# KiCad board Eclipse65.kicad_pcb (continued)
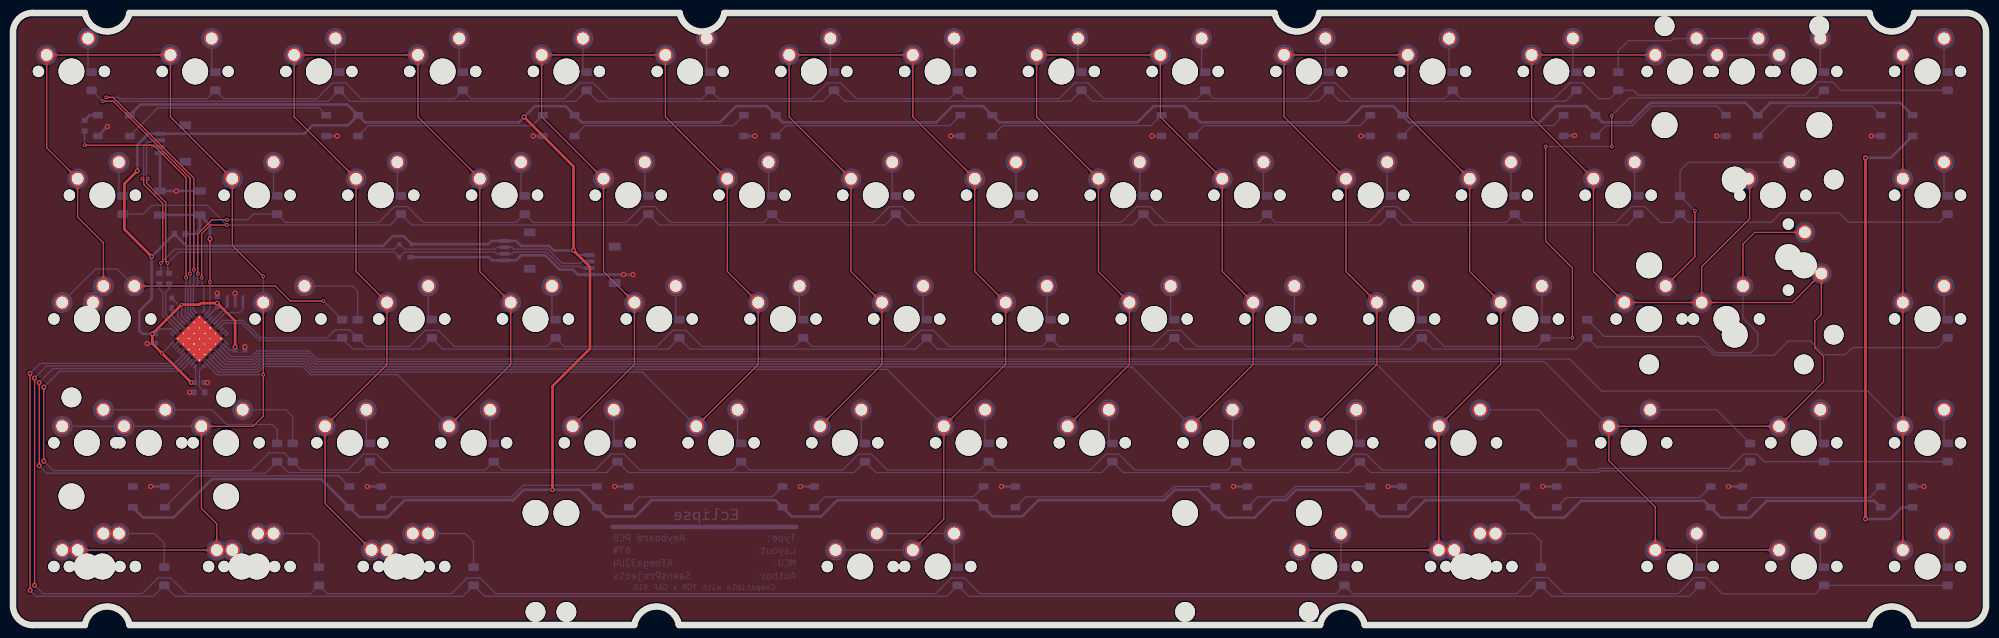
[diagram p0: board, top side]
## Copper pours and planes (outline as drawn; the poured copper is in the pictures) (continued)
C0 on Top: 13.82,54.57 13.82,54.47 13.81,54.37 13.8,54.28 13.79,54.2 13.78,54.12 13.76,54.05 13.74,53.98 13.71,53.92 13.69,53.86 13.66,53.81 13.63,53.75 13.59,53.7 13.56,53.65 13.52,53.6 13.14,53.18 13.1,53.12 13.06,53.06 13.01,53 12.97,52.93 12.93,52.86 12.88,52.78 12.84,52.7 13.92,51.58 15,52.7 14.96,52.78 14.92,52.86 14.87,52.93 14.83,53 14.79,53.06 14.74,53.12 14.7,53.18 14.32,53.6 14.28,53.65 14.25,53.7 14.22,53.75 14.18,53.81 14.16,53.86 14.13,53.92 14.11,53.98 14.08,54.05 14.07,54.12 14.05,54.2 14.04,54.28 14.03,54.37 14.02,54.47 14.02,54.57
C0 on Top: 10.05,66.3 10.05,66.4 10.06,66.5 10.07,66.59 10.08,66.67 10.1,66.75 10.12,66.82 10.14,66.89 10.16,66.95 10.19,67.01 10.22,67.06 10.25,67.12 10.28,67.17 10.31,67.22 10.35,67.27 10.73,67.69 10.77,67.75 10.82,67.81 10.86,67.87 10.91,67.94 10.95,68.01 10.99,68.09 11.03,68.17 9.95,69.29 8.87,68.17 8.91,68.09 8.96,68.01 9,67.94 9.04,67.87 9.09,67.81 9.13,67.75 9.18,67.69 9.55,67.27 9.59,67.22 9.63,67.17 9.66,67.12 9.69,67.06 9.72,67.01 9.74,66.95 9.77,66.89 9.79,66.82 9.81,66.75 9.82,66.67 9.84,66.59 9.85,66.5 9.85,66.4 9.85,66.3
C0 on Top: 38.63,47.25 38.63,47.35 38.63,47.45 38.64,47.54 38.66,47.62 38.67,47.7 38.69,47.77 38.71,47.84 38.74,47.9 38.76,47.96 38.79,48.01 38.82,48.07 38.85,48.12 38.89,48.17 38.93,48.22 39.3,48.64 39.35,48.7 39.39,48.76 39.44,48.82 39.48,48.89 39.52,48.96 39.57,49.04 39.61,49.12 38.53,50.24 37.45,49.12 37.49,49.04 37.53,48.96 37.57,48.89 37.62,48.82 37.66,48.76 37.71,48.7 37.75,48.64 38.13,48.22 38.17,48.17 38.2,48.12 38.23,48.07 38.26,48.01 38.29,47.96 38.32,47.9 38.34,47.84 38.36,47.77 38.38,47.7 38.4,47.62 38.41,47.54 38.42,47.45 38.43,47.35 38.43,47.25
C0 on Top: 31.39,30.69 31.29,30.69 31.2,30.7 31.11,30.71 31.02,30.72 30.95,30.73 30.87,30.75 30.81,30.77 30.74,30.8 30.68,30.82 30.63,30.85 30.57,30.88 30.52,30.92 30.47,30.95 30.43,30.99 30,31.37 29.94,31.41 29.88,31.46 29.82,31.5 29.75,31.54 29.68,31.59 29.61,31.63 29.53,31.67 28.4,30.59 29.53,29.51 29.61,29.55 29.68,29.59 29.75,29.64 29.82,29.68 29.88,29.72 29.94,29.77 30,29.81 30.43,30.19 30.47,30.23 30.52,30.26 30.57,30.3 30.63,30.33 30.68,30.36 30.74,30.38 30.81,30.41 30.87,30.43 30.95,30.45 31.02,30.46 31.11,30.47 31.2,30.48 31.29,30.49 31.39,30.49
C0 on Top: 24.34,85.35 24.34,85.45 24.35,85.55 24.36,85.64 24.37,85.72 24.38,85.8 24.4,85.87 24.42,85.94 24.45,86 24.47,86.06 24.5,86.11 24.53,86.17 24.57,86.22 24.6,86.27 24.64,86.32 25.02,86.74 25.06,86.8 25.11,86.86 25.15,86.92 25.19,86.99 25.24,87.06 25.28,87.14 25.32,87.22 24.24,88.34 23.16,87.22 23.2,87.14 23.24,87.06 23.29,86.99 23.33,86.92 23.37,86.86 23.42,86.8 23.46,86.74 23.84,86.32 23.88,86.27 23.91,86.22 23.95,86.17 23.98,86.11 24.01,86.06 24.03,86 24.06,85.94 24.08,85.87 24.1,85.8 24.11,85.72 24.12,85.64 24.13,85.55 24.14,85.45 24.14,85.35
C0 on Top: 32,70.31 32.08,70.24 32.14,70.16 32.19,70.1 32.24,70.03 32.29,69.96 32.33,69.9 32.36,69.84 32.39,69.77 32.41,69.71 32.43,69.65 32.45,69.59 32.46,69.53 32.47,69.47 32.48,69.42 32.51,68.85 32.52,68.77 32.53,68.7 32.54,68.63 32.56,68.55 32.58,68.47 32.6,68.38 32.63,68.3 34.19,68.27 34.16,69.82 34.07,69.85 33.99,69.88 33.91,69.9 33.83,69.91 33.75,69.93 33.68,69.94 33.61,69.94 33.04,69.98 32.98,69.99 32.92,70 32.86,70.01 32.8,70.03 32.74,70.04 32.68,70.07 32.62,70.1 32.56,70.13 32.49,70.17 32.43,70.21 32.36,70.26 32.29,70.32 32.22,70.38 32.15,70.45
C0 on Top: 29.1,28.2 29.1,28.3 29.11,28.4 29.12,28.49 29.13,28.57 29.15,28.65 29.17,28.72 29.19,28.79 29.21,28.85 29.24,28.91 29.27,28.96 29.3,29.02 29.33,29.07 29.36,29.12 29.4,29.17 29.78,29.59 29.82,29.65 29.87,29.71 29.91,29.77 29.96,29.84 30,29.91 30.04,29.99 30.08,30.07 29,31.19 27.92,30.07 27.96,29.99 28.01,29.91 28.05,29.84 28.09,29.77 28.14,29.71 28.18,29.65 28.23,29.59 28.6,29.17 28.64,29.12 28.68,29.07 28.71,29.02 28.74,28.96 28.77,28.91 28.79,28.85 28.82,28.79 28.84,28.72 28.86,28.65 28.87,28.57 28.89,28.49 28.9,28.4 28.9,28.3 28.9,28.2
C0 on Top: 31.28,13.93 31.28,13.83 31.28,13.73 31.27,13.64 31.26,13.56 31.24,13.48 31.22,13.41 31.2,13.34 31.18,13.28 31.15,13.22 31.12,13.17 31.09,13.11 31.06,13.06 31.02,13.01 30.99,12.96 30.61,12.54 30.56,12.48 30.52,12.42 30.47,12.36 30.43,12.29 30.39,12.22 30.35,12.14 30.3,12.06 31.38,10.94 32.46,12.06 32.42,12.14 32.38,12.22 32.34,12.29 32.29,12.36 32.25,12.42 32.2,12.48 32.16,12.54 31.78,12.96 31.75,13.01 31.71,13.06 31.68,13.11 31.65,13.17 31.62,13.22 31.59,13.28 31.57,13.34 31.55,13.41 31.53,13.48 31.51,13.56 31.5,13.64 31.49,13.73 31.49,13.83 31.48,13.93
C0 on Top: 7.58,87.84 7.48,87.84 7.38,87.85 7.29,87.86 7.21,87.87 7.13,87.88 7.06,87.9 6.99,87.92 6.93,87.95 6.87,87.97 6.82,88 6.76,88.03 6.71,88.07 6.66,88.1 6.61,88.14 6.19,88.52 6.13,88.56 6.07,88.61 6.01,88.65 5.94,88.69 5.87,88.74 5.79,88.78 5.71,88.82 4.59,87.74 5.71,86.66 5.79,86.7 5.87,86.74 5.94,86.79 6.01,86.83 6.07,86.87 6.13,86.92 6.19,86.96 6.61,87.34 6.66,87.38 6.71,87.41 6.76,87.45 6.82,87.48 6.87,87.51 6.93,87.53 6.99,87.56 7.06,87.58 7.13,87.6 7.21,87.61 7.29,87.62 7.38,87.63 7.48,87.64 7.58,87.64
C0 on Top: 21.85,87.64 21.95,87.64 22.05,87.63 22.14,87.62 22.22,87.61 22.3,87.6 22.37,87.58 22.44,87.56 22.5,87.53 22.56,87.51 22.61,87.48 22.67,87.45 22.72,87.41 22.77,87.38 22.82,87.34 23.24,86.96 23.3,86.92 23.36,86.87 23.42,86.83 23.49,86.79 23.56,86.74 23.64,86.7 23.72,86.66 24.84,87.74 23.72,88.82 23.64,88.78 23.56,88.74 23.49,88.69 23.42,88.65 23.36,88.61 23.3,88.56 23.24,88.52 22.82,88.14 22.77,88.1 22.72,88.07 22.67,88.03 22.61,88 22.56,87.97 22.5,87.95 22.44,87.92 22.37,87.9 22.3,87.88 22.22,87.87 22.14,87.86 22.05,87.85 21.95,87.84 21.85,87.84
C0 on Top: 33.87,66.3 33.87,66.4 33.87,66.5 33.88,66.59 33.89,66.67 33.91,66.75 33.93,66.82 33.95,66.89 33.97,66.95 34,67.01 34.03,67.06 34.06,67.12 34.09,67.17 34.13,67.22 34.16,67.27 34.54,67.69 34.59,67.75 34.63,67.81 34.67,67.87 34.72,67.94 34.76,68.01 34.8,68.09 34.85,68.17 33.77,69.29 32.69,68.17 32.73,68.09 32.77,68.01 32.81,67.94 32.86,67.87 32.9,67.81 32.94,67.75 32.99,67.69 33.37,67.27 33.4,67.22 33.44,67.17 33.47,67.12 33.5,67.06 33.53,67.01 33.56,66.95 33.58,66.89 33.6,66.82 33.62,66.75 33.64,66.67 33.65,66.59 33.66,66.5 33.66,66.4 33.67,66.3
C0 on Top: 5.29,85.35 5.29,85.45 5.3,85.55 5.31,85.64 5.32,85.72 5.33,85.8 5.35,85.87 5.37,85.94 5.4,86 5.42,86.06 5.45,86.11 5.48,86.17 5.52,86.22 5.55,86.27 5.59,86.32 5.97,86.74 6.01,86.8 6.06,86.86 6.1,86.92 6.14,86.99 6.19,87.06 6.23,87.14 6.27,87.22 5.19,88.34 4.11,87.22 4.15,87.14 4.19,87.06 4.24,86.99 4.28,86.92 4.32,86.86 4.37,86.8 4.41,86.74 4.79,86.32 4.83,86.27 4.86,86.22 4.9,86.17 4.93,86.11 4.96,86.06 4.98,86 5.01,85.94 5.03,85.87 5.05,85.8 5.06,85.72 5.07,85.64 5.08,85.55 5.09,85.45 5.09,85.35
C0 on Top: 8.19,70.31 8.26,70.24 8.33,70.16 8.38,70.1 8.43,70.03 8.48,69.96 8.51,69.9 8.55,69.84 8.57,69.77 8.6,69.71 8.62,69.65 8.63,69.59 8.65,69.53 8.66,69.47 8.66,69.42 8.7,68.85 8.71,68.77 8.72,68.7 8.73,68.63 8.75,68.55 8.77,68.47 8.79,68.38 8.82,68.3 10.38,68.27 10.35,69.82 10.26,69.85 10.18,69.88 10.09,69.9 10.02,69.91 9.94,69.93 9.87,69.94 9.8,69.94 9.23,69.98 9.17,69.99 9.11,70 9.05,70.01 8.99,70.03 8.93,70.04 8.87,70.07 8.81,70.1 8.74,70.13 8.68,70.17 8.61,70.21 8.55,70.26 8.48,70.32 8.41,70.38 8.33,70.45
C0 on Bottom: 26.61,30.49 26.71,30.49 26.81,30.48 26.9,30.47 26.98,30.46 27.06,30.45 27.13,30.43 27.2,30.41 27.26,30.38 27.32,30.36 27.38,30.33 27.43,30.3 27.48,30.26 27.53,30.23 27.58,30.19 28.01,29.81 28.06,29.77 28.12,29.72 28.18,29.68 28.25,29.64 28.32,29.59 28.4,29.55 28.48,29.51 29.6,30.59 28.48,31.67 28.4,31.63 28.32,31.59 28.25,31.54 28.18,31.5 28.12,31.46 28.06,31.41 28.01,31.37 27.58,30.99 27.53,30.95 27.48,30.92 27.43,30.88 27.38,30.85 27.32,30.82 27.26,30.8 27.2,30.77 27.13,30.75 27.06,30.73 26.98,30.72 26.9,30.71 26.81,30.7 26.71,30.69 26.61,30.69
C0 on Bottom: 25.81,30.49 25.95,30.49 26.08,30.48 26.2,30.47 26.31,30.45 26.41,30.43 26.51,30.4 26.6,30.37 26.68,30.34 26.76,30.3 26.83,30.27 26.91,30.22 26.97,30.18 27.04,30.13 27.1,30.08 27.16,30.03 27.22,29.97 27.53,29.68 27.6,29.62 27.67,29.56 27.74,29.5 27.82,29.44 27.91,29.38 28,29.32 28.09,29.26 28.2,29.21 28.31,29.15 29.8,30.59 28.31,32.03 28.2,31.97 28.09,31.92 28,31.86 27.91,31.8 27.82,31.74 27.74,31.68 27.67,31.62 27.6,31.56 27.53,31.5 27.22,31.21 27.16,31.15 27.1,31.1 27.04,31.05 26.97,31 26.91,30.96 26.83,30.91 26.76,30.88 26.68,30.84 26.6,30.81 26.51,30.78 26.41,30.75 26.31,30.73 26.2,30.71 26.08,30.7 25.95,30.69 25.81,30.69
C0 on Bottom: 20.29,30.69 20.15,30.69 20.02,30.7 19.9,30.71 19.79,30.73 19.69,30.75 19.59,30.78 19.5,30.81 19.42,30.84 19.34,30.88 19.26,30.91 19.19,30.96 19.13,31 19.06,31.05 19,31.1 18.94,31.15 18.88,31.21 18.57,31.5 18.5,31.56 18.43,31.62 18.35,31.68 18.28,31.74 18.19,31.8 18.1,31.86 18.01,31.92 17.9,31.97 17.79,32.03 16.3,30.59 17.79,29.15 17.9,29.21 18.01,29.26 18.1,29.32 18.19,29.38 18.28,29.44 18.35,29.5 18.43,29.56 18.5,29.62 18.57,29.68 18.88,29.97 18.94,30.03 19,30.08 19.06,30.13 19.13,30.18 19.19,30.22 19.26,30.27 19.34,30.3 19.42,30.34 19.5,30.37 19.59,30.4 19.69,30.43 19.79,30.45 19.9,30.47 20.02,30.48 20.15,30.49 20.29,30.49
C0 on Bottom: 19.49,30.69 19.38,30.69 19.29,30.7 19.2,30.71 19.12,30.72 19.04,30.73 18.97,30.75 18.9,30.77 18.84,30.8 18.78,30.82 18.72,30.85 18.67,30.88 18.62,30.92 18.57,30.95 18.52,30.99 18.09,31.37 18.04,31.41 17.98,31.46 17.92,31.5 17.85,31.54 17.78,31.59 17.7,31.63 17.62,31.67 16.5,30.59 17.62,29.51 17.7,29.55 17.78,29.59 17.85,29.64 17.92,29.68 17.98,29.72 18.04,29.77 18.09,29.81 18.52,30.19 18.57,30.23 18.62,30.26 18.67,30.3 18.72,30.33 18.78,30.36 18.84,30.38 18.9,30.41 18.97,30.43 19.04,30.45 19.12,30.46 19.2,30.47 19.29,30.48 19.38,30.49 19.49,30.49
C0 on Bottom: 9.96,30.69 9.86,30.69 9.76,30.7 9.68,30.71 9.59,30.72 9.52,30.73 9.44,30.75 9.38,30.77 9.31,30.8 9.25,30.82 9.2,30.85 9.14,30.88 9.09,30.92 9.04,30.95 9,30.99 8.57,31.37 8.51,31.41 8.45,31.46 8.39,31.5 8.32,31.54 8.25,31.59 8.18,31.63 8.09,31.67 6.97,30.59 8.09,29.51 8.18,29.55 8.25,29.59 8.32,29.64 8.39,29.68 8.45,29.72 8.51,29.77 8.57,29.81 9,30.19 9.04,30.23 9.09,30.26 9.14,30.3 9.2,30.33 9.25,30.36 9.31,30.38 9.38,30.41 9.44,30.43 9.52,30.45 9.59,30.46 9.68,30.47 9.76,30.48 9.86,30.49 9.96,30.49
C0 on Bottom: 10.76,30.69 10.62,30.69 10.5,30.7 10.38,30.71 10.27,30.73 10.16,30.75 10.07,30.78 9.98,30.81 9.89,30.84 9.81,30.88 9.74,30.91 9.67,30.96 9.6,31 9.54,31.05 9.47,31.1 9.41,31.15 9.35,31.21 9.04,31.5 8.97,31.56 8.9,31.62 8.83,31.68 8.75,31.74 8.67,31.8 8.58,31.86 8.48,31.92 8.38,31.97 8.27,32.03 6.77,30.59 8.27,29.15 8.38,29.21 8.48,29.26 8.58,29.32 8.67,29.38 8.75,29.44 8.83,29.5 8.9,29.56 8.97,29.62 9.04,29.68 9.35,29.97 9.41,30.03 9.47,30.08 9.54,30.13 9.6,30.18 9.67,30.22 9.74,30.27 9.81,30.3 9.89,30.34 9.98,30.37 10.07,30.4 10.16,30.43 10.27,30.45 10.38,30.47 10.5,30.48 10.62,30.49 10.76,30.49
C0 on Bottom: 13.91,30.49 14.04,30.49 14.17,30.48 14.29,30.47 14.4,30.45 14.5,30.43 14.6,30.4 14.69,30.37 14.77,30.34 14.85,30.3 14.93,30.27 15,30.22 15.07,30.18 15.13,30.13 15.2,30.08 15.26,30.03 15.32,29.97 15.63,29.68 15.69,29.62 15.76,29.56 15.84,29.5 15.92,29.44 16,29.38 16.09,29.32 16.19,29.26 16.29,29.21 16.4,29.15 17.9,30.59 16.4,32.03 16.29,31.97 16.19,31.92 16.09,31.86 16,31.8 15.92,31.74 15.84,31.68 15.76,31.62 15.69,31.56 15.63,31.5 15.32,31.21 15.26,31.15 15.2,31.1 15.13,31.05 15.07,31 15,30.96 14.93,30.91 14.85,30.88 14.77,30.84 14.69,30.81 14.6,30.78 14.5,30.75 14.4,30.73 14.29,30.71 14.17,30.7 14.04,30.69 13.91,30.69
C0 on Bottom: 14.71,30.49 14.81,30.49 14.9,30.48 14.99,30.47 15.07,30.46 15.15,30.45 15.22,30.43 15.29,30.41 15.36,30.38 15.41,30.36 15.47,30.33 15.52,30.3 15.58,30.26 15.62,30.23 15.67,30.19 16.1,29.81 16.16,29.77 16.21,29.72 16.28,29.68 16.34,29.64 16.42,29.59 16.49,29.55 16.57,29.51 17.7,30.59 16.57,31.67 16.49,31.63 16.42,31.59 16.34,31.54 16.28,31.5 16.21,31.46 16.16,31.41 16.1,31.37 15.67,30.99 15.62,30.95 15.58,30.92 15.52,30.88 15.47,30.85 15.41,30.82 15.36,30.8 15.29,30.77 15.22,30.75 15.15,30.73 15.07,30.72 14.99,30.71 14.9,30.7 14.81,30.69 14.71,30.69
C0 on Bottom: 38.43,52.03 38.43,51.93 38.42,51.83 38.41,51.74 38.4,51.66 38.38,51.58 38.36,51.51 38.34,51.44 38.32,51.38 38.29,51.32 38.26,51.27 38.23,51.21 38.2,51.16 38.17,51.11 38.13,51.06 37.75,50.64 37.71,50.58 37.66,50.52 37.62,50.46 37.57,50.39 37.53,50.32 37.49,50.24 37.45,50.16 38.53,49.04 39.61,50.16 39.57,50.24 39.52,50.32 39.48,50.39 39.44,50.46 39.39,50.52 39.35,50.58 39.3,50.64 38.93,51.06 38.89,51.11 38.85,51.16 38.82,51.21 38.79,51.27 38.76,51.32 38.74,51.38 38.71,51.44 38.69,51.51 38.67,51.58 38.66,51.66 38.64,51.74 38.63,51.83 38.63,51.93 38.63,52.03
C0 on Bottom: 38.43,52.83 38.42,52.69 38.42,52.57 38.4,52.45 38.39,52.34 38.37,52.23 38.34,52.14 38.31,52.05 38.28,51.96 38.24,51.88 38.2,51.81 38.16,51.74 38.11,51.67 38.07,51.6 38.02,51.54 37.96,51.48 37.91,51.42 37.62,51.11 37.56,51.04 37.5,50.97 37.44,50.9 37.38,50.82 37.32,50.73 37.26,50.65 37.2,50.55 37.14,50.45 37.09,50.34 38.53,48.84 39.97,50.34 39.91,50.45 39.85,50.55 39.8,50.65 39.74,50.73 39.68,50.82 39.62,50.9 39.56,50.97 39.5,51.04 39.44,51.11 39.14,51.42 39.09,51.48 39.04,51.54 38.99,51.6 38.94,51.67 38.9,51.74 38.85,51.81 38.81,51.88 38.78,51.96 38.74,52.05 38.71,52.14 38.69,52.23 38.67,52.34 38.65,52.45 38.64,52.57 38.63,52.69 38.63,52.83
C1 on Top: 48.15,28.2 48.15,28.3 48.16,28.4 48.17,28.49 48.18,28.57 48.2,28.65 48.22,28.72 48.24,28.79 48.26,28.85 48.29,28.91 48.32,28.96 48.35,29.02 48.38,29.07 48.41,29.12 48.45,29.17 48.83,29.59 48.87,29.65 48.92,29.71 48.96,29.77 49.01,29.84 49.05,29.91 49.09,29.99 49.13,30.07 48.05,31.19 46.97,30.07 47.01,29.99 47.06,29.91 47.1,29.84 47.14,29.77 47.19,29.71 47.23,29.65 47.28,29.59 47.65,29.17 47.69,29.12 47.73,29.07 47.76,29.02 47.79,28.96 47.82,28.91 47.84,28.85 47.87,28.79 47.89,28.72 47.91,28.65 47.92,28.57 47.94,28.49 47.95,28.4 47.95,28.3 47.95,28.2
C1 on Top: 53.44,13.16 53.51,13.09 53.57,13.01 53.63,12.95 53.68,12.88 53.72,12.81 53.76,12.75 53.79,12.69 53.82,12.62 53.84,12.56 53.86,12.5 53.88,12.44 53.89,12.38 53.9,12.32 53.91,12.27 53.94,11.7 53.95,11.62 53.96,11.55 53.97,11.48 53.99,11.4 54.01,11.32 54.03,11.23 54.06,11.15 55.62,11.12 55.59,12.67 55.5,12.7 55.42,12.73 55.34,12.75 55.26,12.76 55.18,12.78 55.11,12.79 55.04,12.79 54.47,12.83 54.41,12.84 54.35,12.85 54.29,12.86 54.23,12.88 54.17,12.89 54.11,12.92 54.05,12.95 53.99,12.98 53.92,13.02 53.86,13.06 53.79,13.11 53.72,13.17 53.65,13.23 53.58,13.3
C1 on Top: 57.68,47.25 57.68,47.35 57.68,47.45 57.69,47.54 57.71,47.62 57.72,47.7 57.74,47.77 57.76,47.84 57.79,47.9 57.81,47.96 57.84,48.01 57.87,48.07 57.9,48.12 57.94,48.17 57.98,48.22 58.35,48.64 58.4,48.7 58.44,48.76 58.49,48.82 58.53,48.89 58.57,48.96 58.62,49.04 58.66,49.12 57.58,50.24 56.5,49.12 56.54,49.04 56.58,48.96 56.62,48.89 56.67,48.82 56.71,48.76 56.76,48.7 56.8,48.64 57.18,48.22 57.22,48.17 57.25,48.12 57.28,48.07 57.31,48.01 57.34,47.96 57.37,47.9 57.39,47.84 57.41,47.77 57.43,47.7 57.45,47.62 57.46,47.54 57.47,47.45 57.48,47.35 57.48,47.25
C1 on Top: 49.67,32.35 49.6,32.28 49.53,32.22 49.46,32.16 49.39,32.11 49.33,32.07 49.26,32.03 49.2,32 49.14,31.97 49.08,31.94 49.02,31.93 48.96,31.91 48.9,31.9 48.84,31.89 48.78,31.88 48.21,31.84 48.14,31.84 48.06,31.83 47.99,31.81 47.91,31.8 47.83,31.78 47.75,31.75 47.66,31.72 47.63,30.17 49.19,30.2 49.21,30.28 49.24,30.37 49.26,30.45 49.27,30.53 49.29,30.6 49.3,30.67 49.31,30.75 49.34,31.32 49.35,31.37 49.36,31.43 49.37,31.49 49.39,31.55 49.41,31.61 49.43,31.67 49.46,31.74 49.49,31.8 49.53,31.86 49.57,31.93 49.62,32 49.68,32.06 49.74,32.14 49.81,32.21
C1 on Top: 76.73,47.25 76.73,47.35 76.73,47.45 76.74,47.54 76.76,47.62 76.77,47.7 76.79,47.77 76.81,47.84 76.84,47.9 76.86,47.96 76.89,48.01 76.92,48.07 76.95,48.12 76.99,48.17 77.03,48.22 77.4,48.64 77.45,48.7 77.49,48.76 77.54,48.82 77.58,48.89 77.62,48.96 77.67,49.04 77.71,49.12 76.63,50.24 75.55,49.12 75.59,49.04 75.63,48.96 75.67,48.89 75.72,48.82 75.76,48.76 75.81,48.7 75.85,48.64 76.23,48.22 76.27,48.17 76.3,48.12 76.33,48.07 76.36,48.01 76.39,47.96 76.42,47.9 76.44,47.84 76.46,47.77 76.48,47.7 76.5,47.62 76.51,47.54 76.52,47.45 76.53,47.35 76.53,47.25
C1 on Top: 68.72,32.35 68.65,32.28 68.58,32.22 68.51,32.16 68.44,32.11 68.38,32.07 68.31,32.03 68.25,32 68.19,31.97 68.13,31.94 68.07,31.93 68.01,31.91 67.95,31.9 67.89,31.89 67.83,31.88 67.26,31.84 67.19,31.84 67.11,31.83 67.04,31.81 66.96,31.8 66.88,31.78 66.8,31.75 66.71,31.72 66.68,30.17 68.24,30.2 68.26,30.28 68.29,30.37 68.31,30.45 68.32,30.53 68.34,30.6 68.35,30.67 68.36,30.75 68.39,31.32 68.4,31.37 68.41,31.43 68.42,31.49 68.44,31.55 68.46,31.61 68.48,31.67 68.51,31.74 68.54,31.8 68.58,31.86 68.62,31.93 68.67,32 68.73,32.06 68.79,32.14 68.86,32.21
C1 on Top: 43.39,85.35 43.39,85.45 43.4,85.55 43.41,85.64 43.42,85.72 43.43,85.8 43.45,85.87 43.47,85.94 43.5,86 43.52,86.06 43.55,86.11 43.58,86.17 43.62,86.22 43.65,86.27 43.69,86.32 44.07,86.74 44.11,86.8 44.16,86.86 44.2,86.92 44.24,86.99 44.29,87.06 44.33,87.14 44.37,87.22 43.29,88.34 42.21,87.22 42.25,87.14 42.29,87.06 42.34,86.99 42.38,86.92 42.42,86.86 42.47,86.8 42.51,86.74 42.89,86.32 42.93,86.27 42.96,86.22 43,86.17 43.03,86.11 43.06,86.06 43.08,86 43.11,85.94 43.13,85.87 43.15,85.8 43.16,85.72 43.17,85.64 43.18,85.55 43.19,85.45 43.19,85.35
C1 on Top: 51.05,70.31 51.13,70.24 51.19,70.16 51.24,70.1 51.29,70.03 51.34,69.96 51.38,69.9 51.41,69.84 51.44,69.77 51.46,69.71 51.48,69.65 51.5,69.59 51.51,69.53 51.52,69.47 51.53,69.42 51.56,68.85 51.57,68.77 51.58,68.7 51.59,68.63 51.61,68.55 51.63,68.47 51.65,68.38 51.68,68.3 53.24,68.27 53.21,69.82 53.12,69.85 53.04,69.88 52.96,69.9 52.88,69.91 52.8,69.93 52.73,69.94 52.66,69.94 52.09,69.98 52.03,69.99 51.97,70 51.91,70.01 51.85,70.03 51.79,70.04 51.73,70.07 51.67,70.1 51.61,70.13 51.54,70.17 51.48,70.21 51.41,70.26 51.34,70.32 51.27,70.38 51.2,70.45
C1 on Top: 52.92,66.3 52.92,66.4 52.92,66.5 52.93,66.59 52.94,66.67 52.96,66.75 52.98,66.82 53,66.89 53.02,66.95 53.05,67.01 53.08,67.06 53.11,67.12 53.14,67.17 53.18,67.22 53.21,67.27 53.59,67.69 53.64,67.75 53.68,67.81 53.72,67.87 53.77,67.94 53.81,68.01 53.85,68.09 53.9,68.17 52.82,69.29 51.74,68.17 51.78,68.09 51.82,68.01 51.86,67.94 51.91,67.87 51.95,67.81 51.99,67.75 52.04,67.69 52.42,67.27 52.45,67.22 52.49,67.17 52.52,67.12 52.55,67.06 52.58,67.01 52.61,66.95 52.63,66.89 52.65,66.82 52.67,66.75 52.69,66.67 52.7,66.59 52.71,66.5 52.71,66.4 52.72,66.3
C1 on Top: 55.82,51.26 55.89,51.19 55.95,51.11 56.01,51.05 56.06,50.98 56.1,50.91 56.14,50.85 56.17,50.79 56.2,50.72 56.22,50.66 56.24,50.6 56.26,50.54 56.27,50.48 56.28,50.42 56.29,50.37 56.32,49.8 56.33,49.72 56.34,49.65 56.36,49.58 56.37,49.5 56.39,49.42 56.42,49.33 56.44,49.25 58,49.22 57.97,50.77 57.88,50.8 57.8,50.83 57.72,50.85 57.64,50.86 57.57,50.88 57.49,50.89 57.42,50.89 56.85,50.93 56.79,50.94 56.73,50.95 56.67,50.96 56.61,50.98 56.55,50.99 56.49,51.02 56.43,51.05 56.37,51.08 56.3,51.12 56.24,51.16 56.17,51.21 56.1,51.27 56.03,51.33 55.96,51.4
C1 on Top: 71.97,66.3 71.97,66.4 71.97,66.5 71.98,66.59 71.99,66.67 72.01,66.75 72.03,66.82 72.05,66.89 72.07,66.95 72.1,67.01 72.13,67.06 72.16,67.12 72.19,67.17 72.23,67.22 72.26,67.27 72.64,67.69 72.69,67.75 72.73,67.81 72.77,67.87 72.82,67.94 72.86,68.01 72.9,68.09 72.95,68.17 71.87,69.29 70.79,68.17 70.83,68.09 70.87,68.01 70.91,67.94 70.96,67.87 71,67.81 71.04,67.75 71.09,67.69 71.47,67.27 71.5,67.22 71.54,67.17 71.57,67.12 71.6,67.06 71.63,67.01 71.66,66.95 71.68,66.89 71.7,66.82 71.72,66.75 71.74,66.67 71.75,66.59 71.76,66.5 71.76,66.4 71.77,66.3
C1 on Top: 74.87,51.26 74.94,51.19 75,51.11 75.06,51.05 75.11,50.98 75.15,50.91 75.19,50.85 75.22,50.79 75.25,50.72 75.27,50.66 75.29,50.6 75.31,50.54 75.32,50.48 75.33,50.42 75.34,50.37 75.37,49.8 75.38,49.72 75.39,49.65 75.41,49.58 75.42,49.5 75.44,49.42 75.47,49.33 75.49,49.25 77.05,49.22 77.02,50.77 76.93,50.8 76.85,50.83 76.77,50.85 76.69,50.86 76.62,50.88 76.54,50.89 76.47,50.89 75.9,50.93 75.84,50.94 75.78,50.95 75.72,50.96 75.66,50.98 75.6,50.99 75.54,51.02 75.48,51.05 75.42,51.08 75.35,51.12 75.29,51.16 75.22,51.21 75.15,51.27 75.08,51.33 75.01,51.4
C1 on Top: 62.44,85.35 62.44,85.45 62.45,85.55 62.46,85.64 62.47,85.72 62.48,85.8 62.5,85.87 62.52,85.94 62.55,86 62.57,86.06 62.6,86.11 62.63,86.17 62.67,86.22 62.7,86.27 62.74,86.32 63.12,86.74 63.16,86.8 63.21,86.86 63.25,86.92 63.29,86.99 63.34,87.06 63.38,87.14 63.42,87.22 62.34,88.34 61.26,87.22 61.3,87.14 61.34,87.06 61.39,86.99 61.43,86.92 61.47,86.86 61.52,86.8 61.56,86.74 61.94,86.32 61.98,86.27 62.01,86.22 62.05,86.17 62.08,86.11 62.11,86.06 62.13,86 62.16,85.94 62.18,85.87 62.2,85.8 62.21,85.72 62.22,85.64 62.23,85.55 62.24,85.45 62.24,85.35
C1 on Top: 70.1,70.31 70.18,70.24 70.24,70.16 70.29,70.1 70.34,70.03 70.39,69.96 70.43,69.9 70.46,69.84 70.49,69.77 70.51,69.71 70.53,69.65 70.55,69.59 70.56,69.53 70.57,69.47 70.58,69.42 70.61,68.85 70.62,68.77 70.63,68.7 70.64,68.63 70.66,68.55 70.68,68.47 70.7,68.38 70.73,68.3 72.29,68.27 72.26,69.82 72.17,69.85 72.09,69.88 72.01,69.9 71.93,69.91 71.85,69.93 71.78,69.94 71.71,69.94 71.14,69.98 71.08,69.99 71.02,70 70.96,70.01 70.9,70.03 70.84,70.04 70.78,70.07 70.72,70.1 70.66,70.13 70.59,70.17 70.53,70.21 70.46,70.26 70.39,70.32 70.32,70.38 70.25,70.45
C1 on Top: 45.68,87.84 45.58,87.84 45.48,87.85 45.39,87.86 45.31,87.87 45.23,87.88 45.16,87.9 45.09,87.92 45.03,87.95 44.97,87.97 44.92,88 44.86,88.03 44.81,88.07 44.76,88.1 44.71,88.14 44.29,88.52 44.23,88.56 44.17,88.61 44.11,88.65 44.04,88.69 43.97,88.74 43.89,88.78 43.81,88.82 42.69,87.74 43.81,86.66 43.89,86.7 43.97,86.74 44.04,86.79 44.11,86.83 44.17,86.87 44.23,86.92 44.29,86.96 44.71,87.34 44.76,87.38 44.81,87.41 44.86,87.45 44.92,87.48 44.97,87.51 45.03,87.53 45.09,87.56 45.16,87.58 45.23,87.6 45.31,87.61 45.39,87.62 45.48,87.63 45.58,87.64 45.68,87.64
C1 on Top: 59.95,87.64 60.05,87.64 60.15,87.63 60.24,87.62 60.32,87.61 60.4,87.6 60.47,87.58 60.54,87.56 60.6,87.53 60.66,87.51 60.71,87.48 60.77,87.45 60.82,87.41 60.87,87.38 60.92,87.34 61.34,86.96 61.4,86.92 61.46,86.87 61.52,86.83 61.59,86.79 61.66,86.74 61.74,86.7 61.82,86.66 62.94,87.74 61.82,88.82 61.74,88.78 61.66,88.74 61.59,88.69 61.52,88.65 61.46,88.61 61.4,88.56 61.34,88.52 60.92,88.14 60.87,88.1 60.82,88.07 60.77,88.03 60.71,88 60.66,87.97 60.6,87.95 60.54,87.92 60.47,87.9 60.4,87.88 60.32,87.87 60.24,87.86 60.15,87.85 60.05,87.84 59.95,87.84
C1 on Bottom: 65.34,32.21 65.41,32.14 65.48,32.06 65.53,32 65.58,31.93 65.63,31.86 65.66,31.8 65.7,31.74 65.72,31.67 65.75,31.61 65.77,31.55 65.78,31.49 65.8,31.43 65.81,31.37 65.81,31.32 65.85,30.75 65.86,30.67 65.87,30.6 65.88,30.53 65.9,30.45 65.92,30.37 65.94,30.28 65.97,30.2 67.53,30.17 67.5,31.72 67.41,31.75 67.33,31.78 67.24,31.8 67.17,31.81 67.09,31.83 67.02,31.84 66.95,31.84 66.38,31.88 66.32,31.89 66.26,31.9 66.2,31.91 66.14,31.93 66.08,31.94 66.02,31.97 65.96,32 65.89,32.03 65.83,32.07 65.76,32.11 65.7,32.16 65.63,32.22 65.56,32.28 65.48,32.35
C1 on Bottom: 64.78,32.77 64.87,32.68 64.96,32.58 65.03,32.49 65.1,32.4 65.16,32.31 65.21,32.22 65.25,32.14 65.28,32.06 65.31,31.97 65.34,31.89 65.36,31.81 65.38,31.73 65.39,31.65 65.4,31.57 65.4,31.49 65.41,31.41 65.42,30.99 65.43,30.9 65.43,30.8 65.44,30.71 65.46,30.61 65.47,30.51 65.49,30.4 65.52,30.3 65.55,30.18 65.59,30.06 67.67,30.02 67.63,32.1 67.51,32.14 67.4,32.17 67.29,32.2 67.18,32.22 67.08,32.24 66.98,32.25 66.89,32.26 66.8,32.27 66.7,32.27 66.28,32.28 66.2,32.29 66.12,32.3 66.04,32.3 65.96,32.32 65.88,32.33 65.8,32.35 65.72,32.38 65.64,32.41 65.55,32.44 65.47,32.49 65.38,32.54 65.29,32.6 65.2,32.66 65.11,32.74 65.02,32.82 64.92,32.92
C2 on Top: 114.83,47.25 114.83,47.35 114.83,47.45 114.84,47.54 114.86,47.62 114.87,47.7 114.89,47.77 114.91,47.84 114.94,47.9 114.96,47.96 114.99,48.01 115.02,48.07 115.05,48.12 115.09,48.17 115.13,48.22 115.5,48.64 115.55,48.7 115.59,48.76 115.64,48.82 115.68,48.89 115.72,48.96 115.77,49.04 115.81,49.12 114.73,50.24 113.65,49.12 113.69,49.04 113.73,48.96 113.77,48.89 113.82,48.82 113.86,48.76 113.91,48.7 113.95,48.64 114.33,48.22 114.37,48.17 114.4,48.12 114.43,48.07 114.46,48.01 114.49,47.96 114.52,47.9 114.54,47.84 114.56,47.77 114.58,47.7 114.6,47.62 114.61,47.54 114.62,47.45 114.63,47.35 114.63,47.25